# Altium PCB CATS-EUROC.PcbDoc (part 2 of 2)
Units mm, origin at the board's own origin, x right, y up, seen from the top; angles counter-clockwise.
Board outline 100 x 33 mm, 4 copper layers (Top Layer, Mid Layer 1, Mid Layer 2, Bottom Layer), stack 1.57 mm thick; 164 components, 113 nets, 632 pads, 413 vias.
Unrouted connection lines stored in the file: 41.
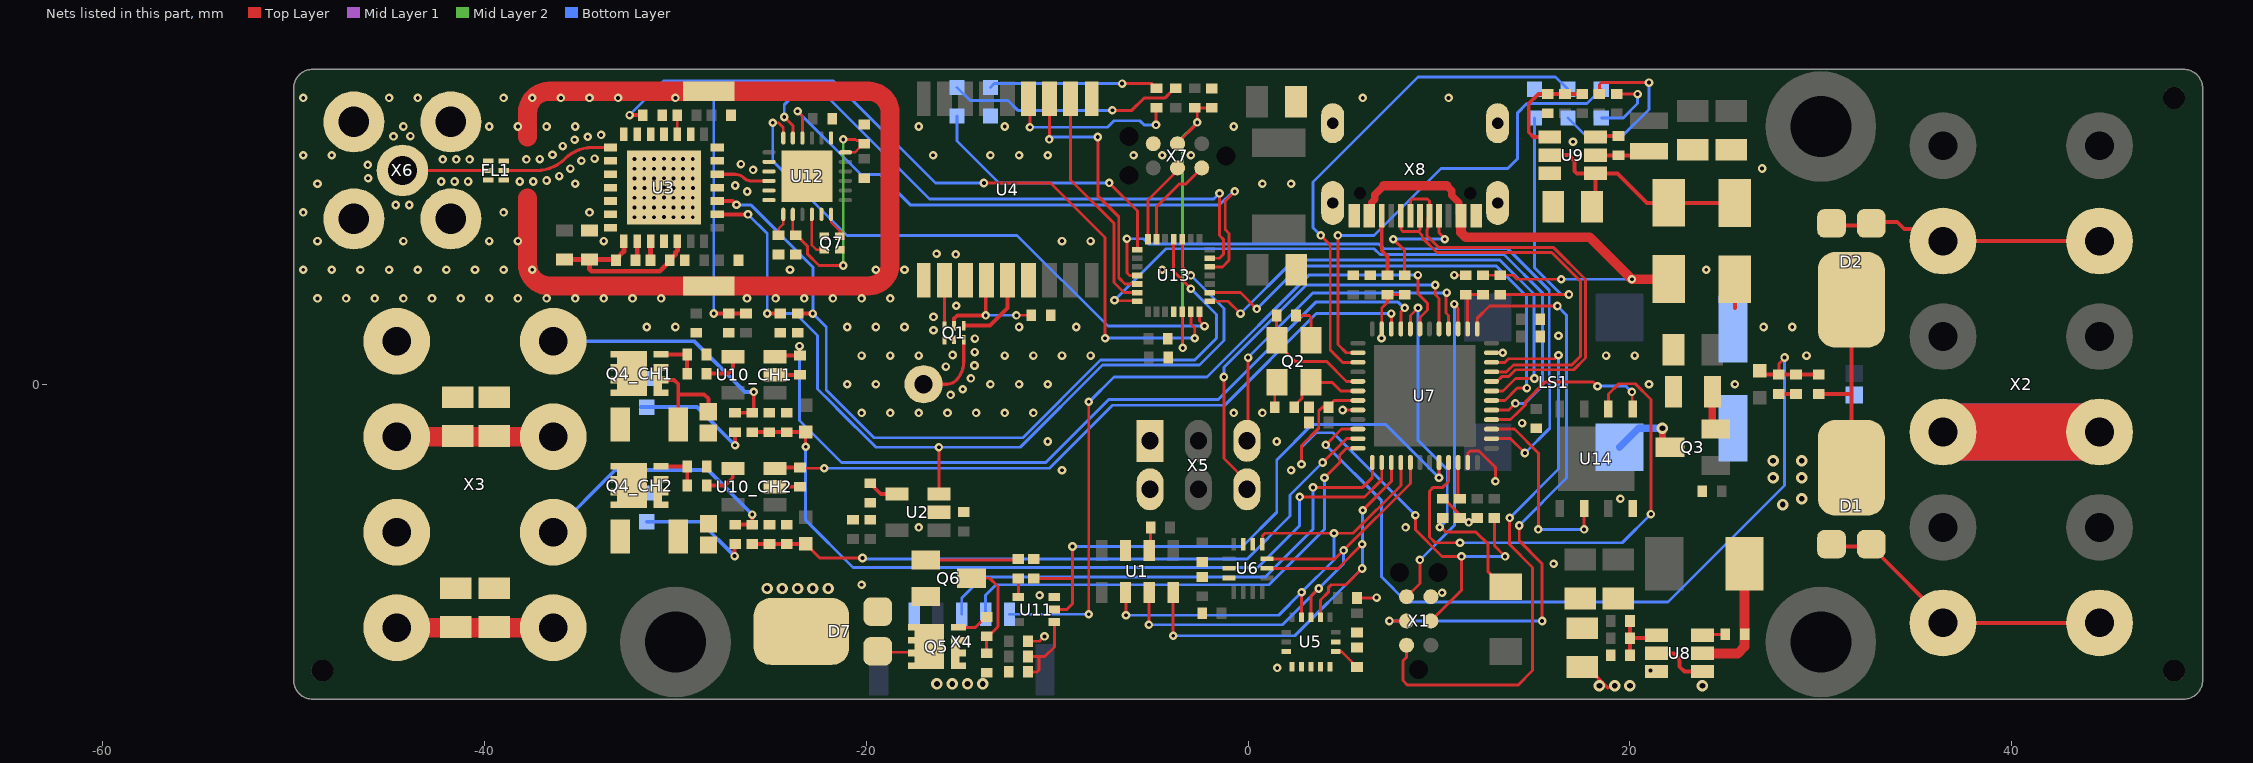
[diagram p4: the nets of this part, all layers, seen from the top]

## Via types
v1: diameter 0.45, hole 0.2, Top Layer to Bottom Layer, tented both sides, 383 vias
v2: diameter 0.6, hole 0.3, Top Layer to Bottom Layer, tented both sides, 30 vias

## Nets (pads, with @x,y where several pads share a name; then routed paths per layer and width w, separated by ;. In a path a pad name is that pad's centre, name@x,y a point inside that pad or via, vN(x,y) a via of type N, cw(c..) or ccw(c..) an arc to the next point about the centre after c; other vN are vias at no path point) (continued)
GND: C1.1 C2.1 C3.1 C4.1 C5.1 C6.1 C7.1 C8.1 C9.1 C10.1 C11.1 C12.1 C13.1 C14.1 C15.1 C16.1 C17.1 C18.1 C19.1 C20.1 C21.1 C22.1 C23.1 C24.1 C25.1 C26.1 C27.1 C28.1 C29.1 C30.M C33.1 C34.1 C35.1 C36.1 C39.1 C40.1 C41.1 C42_CH1.1 C42_CH2.1 C43_CH1.1 C43_CH2.1 C44_CH1.1 C44_CH2.1 C45.1 C46.1 C47.1 C48.1 C49.1 C50.1 C51.1 C52.1 C53.1 C54.1 C55.1 C56.1 C57.1 F1_CH1.2 F1_CH2.2 FL1.1 FL1.3 FL1.4 FL1.6 JP1.1 JP2_CH1.2 JP2_CH2.2 P1.K P4.K P5_CH1.K P5_CH2.K Q1.1 Q1.2 Q2.3 Q6.E Q7.3 R2.1 R3.2 R4.1 R5.1 R6.1 R7.1 R12.1 R13.1 R14.1 R17.1 R18.1 R21.1 R25_CH1.1 R25_CH2.1 R26_CH1.1 R26_CH2.1 R27_CH1.1 R27_CH2.1 R32.1 R36.1 R37.1 R38.2 SH1.1 U1.2 U1.3 U2.2 U3.0 U3.4 U3.6 U3.7 U3.9 U3.10 U3.11 U3.12 U3.13 U3.14 U3.16 U3.17 U3.18 U3.19 U3.20 U3.21 U3.23 U3.24 U3.25 U4.1 U4.10 U4.12 U4.15 U5.8 U5.9 U5.10 U5.11 U5.12 U5.13 U5.15 U6.2 U6.3 U6.6 U6.7 U7.8 U7.23 U7.35 U7.47 U8.3 U9.3 U10_CH1.2 U10_CH2.2 U11.3 U12.0 U12.5 U12.13 U12.20 U12.21 U12.23 U12.24 U13.4 U14.4 X1.5 X2.3 X4.5 X5.1 X5.2 X6.2 X7.5 X8.A1B12 X8.B1A12 X8.G1 X8.G2 X8.G3 X8.G4 | length 38.5
  Top Layer w0.127: C8.1@-32.092,6.5 C8.1@-32,6.592 ; C7.1@-31.308,6.5 C7.1@-31.3,6.508 ; C10.1@-29.908,14.1 -29.9,14.092 U3.10@-29.9,13.1
  Top Layer w0.152: C45.1@-11.531,-13.463 -10.923,-13.463 v1(-10.668,-13.208) ; U1.2@-5.175,-8.7 -5.108,-8.633 C1.1@-5.108,-7.5 ; C26.1@1.392,-1.2 1.392,-0.008 Q2.3@1.5,0.1 ; C25.1@2.508,3.6 3.2,3.6 3.3,3.5 Q2.3@3.3,2.3 ; v1(4.95,-1.35) U7.8@5.75,-1.35 ; C14.1@5.708,-11.2 6.707,-11.2 v1(6.731,-11.176) ; U7.47@7,2.9 7,4 7.3,4.3 R36.1@7.3,4.692 R37.1@8.2,4.692 ; R12.1@10.2,-5.992 10.251,-5.992 10.99,-6.731 ; v1(10.795,5.715) 10.802,5.708 R38.2@11.4,5.708 ; U7.23@11.5,-4.1 11.519,-4.081 11.519,-3.594 11.621,-3.492 12.095,-3.492 12.954,-4.351 v1(12.954,-5.08) ; U7.35@12.75,1.65 v1(13.334,1.65)
  Top Layer w0.203: U10_CH1.2@-24.776,0.5 -24.768,0.492 R26_CH1.1@-23.476,0.492 ; U10_CH2.2@-24.775,-5.364 -24.767,-5.372 R26_CH2.1@-23.475,-5.372 ; R17.1@27.8,-0.508 C36.1@28.7,-0.508
  Top Layer w0.254: C8.1@-32,6.592 U3.23@-32,7.5 ; C7.1@-31.3,6.508 U3.24@-31.3,7.5
  Top Layer w3: X2.3@36.4,-2.5 X2.3@44.6,-2.5
  Mid Layer 1 w0.152: v1(13.334,1.65) v1@13.335,1.651
  Bottom Layer w3: X2.3@36.4,-2.5 X2.3@44.6,-2.5
  other v1: 21.082,-14.986 1.524,-14.859 -10.922,-11.049 10.16,-10.922 -20.25,-10.5 16.002,-9.398 -17.25,-7.5 8.25,-7.5 11.557,-7.239 19.5,-6 -9.75,-4.5 2.25,-4.5 -10.5,-3 1.5,-3 14.351,-2.032 -20.25,-1.5 -18.75,-1.5 -17.25,-1.5 -15.75,-1.5 -14.25,-1.5 -12.75,-1.5 -11.25,-1.5 -0.75,-1.5 0.75,-1.5 -15.585,-0.557 -14.948,-0.258 -21,0 -19.5,0 -13.5,0 -12,0 -10.5,0 21,0 25.5,0 -14.525,0.304 -15.832,0.923 -14.335,0.982 -20.25,1.5 -18.75,1.5 -17.25,1.5 -12.75,1.5 -11.25,1.5 -9.75,1.5 -8.25,1.5 18.75,1.5 20.25,1.5 29.25,1.5 -15.479,1.532 -14.321,1.686 -14.312,2.39 6.985,2.413 16.256,2.54 -16.484,2.827 -31.5,3 -30,3 -21,3 -19.5,3 -18,3 -12,3 -9,3 27,3 28.5,3 -16.479,3.531 -15.293,4.112 -48.75,4.5 -47.25,4.5 -45.75,4.5 -44.25,4.5 -42.75,4.5 -41.25,4.5 -39.75,4.5 -38.25,4.5 -36.75,4.5 -35.25,4.5 -33.75,4.5 -32.25,4.5 -30.75,4.5 -26.25,4.5 -24.75,4.5 -23.25,4.5 -21.75,4.5 -20.25,4.5 -18.75,4.5 -49.5,6 -48,6 -46.5,6 -45,6 -43.5,6 -42,6 -40.5,6 -39,6 -37.5,6 -24,6 -19.5,6 -18,6 -4.5,6 24,6 -15.313,6.801 -16.317,6.835 -48.75,7.5 -44.25,7.5 -39.75,7.5 -38.25,7.5 -33.75,7.5 -9.75,7.5 -8.25,7.5 -32.138,8.75 -31.63,8.75 -31.122,8.75 -30.106,8.75 -29.598,8.75 -29.09,8.75 -30.607,8.763 -49.5,9 -39,9 -34.5,9 -32.138,9.258 -31.63,9.258 -31.122,9.258 -30.106,9.258 -29.598,9.258 -29.09,9.258 -30.607,9.271 -44.652,9.392 -43.948,9.392 -32.138,9.766 -31.63,9.766 -31.122,9.766 -30.106,9.766 -29.598,9.766 -29.09,9.766 -30.607,9.779 -26.239,10.096 -32.131,10.287 -31.623,10.287 -31.115,10.287 -30.6,10.3 -30.099,10.287 -29.591,10.287 -29.083,10.287 -26.867,10.414 -48.75,10.5 -35.25,10.5 0.75,10.5 2.25,10.5 -42.271,10.621 -41.567,10.621 -40.863,10.621 -38.156,10.621 -37.452,10.621 -36.75,10.674 -46.1,10.787 -32.138,10.782 -31.63,10.782 -31.122,10.782 -30.106,10.782 -29.598,10.782 -29.09,10.782 -30.607,10.795 -36.084,10.903 -25.934,11.229 -35.5,11.295 -32.138,11.29 -31.63,11.29 -31.122,11.29 -30.106,11.29 -29.598,11.29 -29.09,11.29 -30.607,11.303 26.924,11.303 -46.116,11.491 -26.569,11.531 -34.928,11.706 -42.19,11.779 -41.486,11.779 -40.782,11.779 -37.809,11.779 -37.105,11.793 -32.138,11.798 -31.63,11.798 -31.122,11.798 -30.106,11.798 -29.598,11.798 -29.09,11.798 -34.233,11.821 -30.607,11.811 -49.5,12 -48,12 -16.5,12 -13.5,12 -12,12 -10.5,12 -6,12 -4.5,12 -3,12 -36.44,12.025 -35.898,12.474 17.018,12.7 -35.281,12.812 -34.593,12.963 -44.769,12.981 -43.884,12.999 -33.896,13.059 -44.25,13.5 -39.75,13.5 -38.25,13.5 -36.75,13.5 -35.25,13.5 -17.25,13.5 -12.75,13.5 -0.75,13.5 -49.5,15 -45,15 -43.5,15 -39,15 -37.5,15 -36,15 -34.5,15 -33,15 -30,15 6,15 10.5,15
INT1: U7.29 U13.28 | length 33.8
  Top Layer w0.152: v1(-7,4.4) -6.975,4.375 -5.825,4.375 U13.28@-5.8,4.35 ; U7.29@12.75,-1.35 13.65,-1.35 v1(14,-1)
  Bottom Layer w0.152: v1(-7,4.4) -4.3,7.1 6.6,7.1 6.9,6.8 13.4,6.8 15.428,4.772 15.428,-0.072 14.5,-1 v1(14,-1)
INT2: U7.26 U13.25 | length 36.8
  Top Layer w0.152: v1(-6.35,7.62) -6.35,5.842 -6.208,5.7 U13.25@-5.8,5.7 ; U7.26@12.75,-2.85 13.75,-2.85 v1(14.5,-3.6)
  Bottom Layer w0.152: v1(-6.35,7.62) -5.485,7.62 -5.219,7.354 6.846,7.354 7.1,7.1 13.594,7.1 15.772,4.923 15.772,-0.197 15.8,-0.225 15.8,-2.3 v1(14.5,-3.6)
IO1: U7.43 X4.1 | length 38.5
  Top Layer w0.152: v1(-8.35,-12.05) v1(-8.35,-0.921) ; v1(8.89,5.715) 8.89,4.751 9.4,4.241 9.4,3.894 9,3.494 U7.43@9,2.9
  Bottom Layer w0.152: X4.1@-12.5,-12.05 -11.477,-12.05 v1(-8.35,-12.05) ; v1(-8.35,-0.921) -8.321,-0.921 -7.019,0.381 -2.159,0.381 3.175,5.715 v1(8.89,5.715)
LED: P6.K U13.22 | length 14.3
  Top Layer w0.152: v1@-7.3,10.55 v1(-7.275,10.55) -5.8,9.075 U13.22@-5.8,7.05
  Bottom Layer w0.152: P6.K@-15.25,14.05 -15.25,12.75 -13.05,10.55 v1(-7.275,10.55)
MISO1: U12.16 U13.12 | length 31.8
  Top Layer w0.152: v1(-23.6,14.3) -23.35,14.05 U12.16@-23.35,12.9 ; U13.12@-2,6.15 -1.35,6.15 -1,6.5 -1,7.9 -1.2,8.1 -1.2,9.6 v1(-0.7,10.1)
  Bottom Layer w0.152: v1(-23.6,14.3) -20.283,10.983 -19.283,10.983 -17.7,9.4 -1.494,9.4 -0.794,10.1 v1(-0.7,10.1)
MOSI1: U12.17 U13.13 | length 31.3
  Top Layer w0.152: v1(-24.3,14) -23.85,13.55 U12.17@-23.85,12.9 ; U13.13@-2,6.6 -1.5,6.6 -1.3,6.8 -1.3,7.6 -1.5,7.8 v1(-1.5,10)
  Bottom Layer w0.152: v1(-24.3,14) -24.3,14.639 -23.839,15.1 -22.085,15.1 -16.685,9.7 -1.8,9.7 v1(-1.5,10)
NetANT1_1: ANT1.1 Q1.3 | length 4
  Top Layer w0.168: ANT1.1@-17,0 -15.783,0 ccw(c-15.783,0.683) -15.3,0.2 ccw(c-16.266,1.166) -14.9,1.166 Q1.3@-14.9,2.325
NetC5_2: C5.2 U2.4 | length 1.7
  Top Layer w0.203: C5.2@-19.8,-5.192 -19.749,-5.192 -19.597,-5.344 -19.597,-5.395 -19.242,-5.75 U2.4@-18.4,-5.75
NetC6_2: C6.2 C7.2 C8.2 FB1.1 U3.22 U3.26 | length 10.1
  Top Layer w0.254: FB1.1@-35.8,6.538 C6.2@-34.5,6.538 ; U3.22@-32.7,7.5 -32.7,6.959 -33.108,6.551 C8.2@-33.108,6.5 -33.146,6.538 C6.2@-34.5,6.538 ; U3.26@-29.9,7.5 -29.9,6.99 -29.991,6.899 -29.991,6.801 C7.2@-30.292,6.5 -30.292,6.449 -30.823,5.918 -34.392,5.918 -34.5,6.027 C6.2@-34.5,6.538
NetC16_2: C16.2 U5.14 | length 1.4
  Top Layer w0.152: U5.14@4.592,-13.995 4.887,-13.995 C16.2@5.7,-14.808
NetC25_2: C25.2 Q2.1 U7.5 | length 6.5
  Top Layer w0.152: C25.2@1.492,3.6 1.492,2.308 Q2.1@1.5,2.3 1.5,2.15 2.45,1.2 4.1,1.2 5.15,0.15 U7.5@5.75,0.15
NetC26_2: C26.2 Q2.2 U7.6 | length 4.3
  Top Layer w0.152: C26.2@2.408,-1.2 2.408,-1.149 2.826,-0.731 2.826,-0.374 Q2.2@3.3,0.1 4.4,0.1 4.85,-0.35 U7.6@5.75,-0.35
NetC28_2: C28.2 U7.22 | length 1.9
  Top Layer w0.152: U7.22@11,-4.1 11,-5.892 C28.2@11.1,-5.992
NetC31_1: C31.1 U8.6 | length 1.2
  Top Layer w0.152: U8.6@23.8,-13.15 23.85,-13.1 C31.1@24.992,-13.1
NetC31_2: C31.2 L1.1 U8.5 | length 6.7
  Top Layer w0.508: U8.5@23.8,-14.1 25.65,-14.1 26,-13.75 26,-13.1 L1.1@26,-9.4
NetC32_1: C32.1 R16.1 R18.2 U8.1 | length 3.3
  Top Layer w0.203: R18.2@20.008,-14.2 R16.1@20.008,-13.3 ; C32.1@20.008,-12.4 R16.1@20.008,-13.3 ; U8.1@21.4,-13.15 21.25,-13.3 R16.1@20.008,-13.3
NetC37_1: C37.1 U9.6 | length 1.2
  Top Layer w0.203: U9.6@18.2,12.95 18.258,13.008 C37.1@19.4,13.008
NetC37_2: C37.2 L2.1 U9.5 | length 2.9
  Top Layer w0.203: U9.5@18.2,12 18.208,11.992 19.3,11.992 20.692,11.992 L2.1@21,12.3
NetC38_1: C38.1 R20.1 R21.2 U9.1 | length 5.7
  Top Layer w0.203: U9.1@15.8,12.95 14.95,12.95 14.7,13.2 14.7,14.7 15.208,15.208 C38.1@17.5,15.208
NetC41_2: C41.2 D4.K D5.K U9.2 U9.4 | length 12.9
  Top Layer w0.203: U9.2@15.8,12 16.8,12 17.1,11.7 17.1,11.166 17.216,11.05 U9.4@18.2,11.05 ; C41.2@18.016,9.3 18.2,9.484 U9.4@18.2,11.05 ; D5.K@25.5,9.5 20.9,9.5 19.35,11.05 U9.4@18.2,11.05
NetC46_2: C46.2 R30.1 U11.1 | length 4.2
  Top Layer w0.152: C46.2@-11.531,-15.063 -11.063,-15.063 -10.947,-14.947 -10.947,-14.263 ; R30.1@-11.531,-14.263 -10.947,-14.263 ; U11.1@-10.15,-12.45 -10.15,-13.758 -10.655,-14.263 -10.947,-14.263
NetC49_2: C49.2 C50.2 U12.2 U12.12 | length 13.5
  Top Layer w0.127: U12.2@-23.85,8.9 -23.85,7.958 C50.2@-23.7,7.808 ; U12.12@-21.1,12.15 -20.591,12.15 -20.501,12.24 -20.501,12.242 -20.151,12.592 C49.2@-20.1,12.592
  Top Layer w0.152: C50.2@-23.7,7.808 -23.649,7.808 -23.091,7.25 -23.091,6.835 -22.479,6.223 v1(-21.209,6.223) ; v1(-21.209,12.827) -20.574,12.827 -20.517,12.77 -20.278,12.77 C49.2@-20.1,12.592
  Mid Layer 2 w0.152: v1(-21.209,6.223) v1(-21.209,12.827)
NetC51_2: C51.2 U12.1 | length 1.2
  Top Layer w0.127: C51.2@-24.6,7.808 -24.587,7.821 -24.587,8.153 -24.35,8.391 U12.1@-24.35,8.9
NetC54_2: C54.2 R34.1 U13.5 X7.3 | length 17.4
  Top Layer w0.152: X7.3@-3.7,12.6 -3.7,12.642 -2.667,13.675 v1(-2.667,13.716) -2.667,14.314 R34.1@-2.831,14.478 ; U13.5@-3.45,3.8 -3.45,1.926 v1(-3.429,1.905) ; R34.1@-2.851,14.492 -2.837,14.478 R34.1@-2.831,14.478 ; C54.2@-1.905,14.478 R34.1@-2.831,14.478
  Mid Layer 2 w0.152: v1(-3.429,1.905) -3.429,12.954 v1(-2.667,13.716)
NetD1_A: D1.A X2.1 | length 15.7
  Top Layer w0.203: D1.A@30.56,-8.5 32.64,-8.5 36.64,-12.5 X2.1@44.6,-12.5
NetD2_A: D2.A X2.5 | length 14.5
  Top Layer w0.203: D2.A@30.56,8.325 D2.A@32.64,8.325 ; D2.A@32.64,8.5 34,8.5 34.369,8.131 35.769,8.131 X2.5@36.4,7.5 X2.5@44.6,7.5
NetD7_A: D7.A Q5.D | length 2.8
  Top Layer w0.152: D7.A@-19.4,-14.04 -17.425,-14.04 -17,-14.04 Q5.D@-16.7,-13.74
NetF1_CH1_1: F1_CH1.1 JP2_CH1.1 Q4_CH1.S | length 5.4
  Top Layer w0.203: Q4_CH1.S@-30.751,0.224 -30.069,0.224 -29.852,0.007 -29.852,-0.533 ; F1_CH1.1@-29.852,-2.1 -29.852,-0.533 ; JP2_CH1.1@-28.276,-1.441 -28.276,-0.756 -28.499,-0.533 -29.852,-0.533
NetF1_CH2_1: F1_CH2.1 JP2_CH2.1 Q4_CH2.S
NetFL1_2: FL1.2 U3.15 | length 5.9
  Top Layer w0.168: FL1.2@-39,11.2 -37.266,11.2 ccw(c-37.266,13.29) -35.788,11.812 cw(c-34.369,10.393) -34.369,12.4 U3.15@-33.4,12.4
NetFL1_5: FL1.5 X6.1 | length 4.5
  Top Layer w0.168: X6.1@-44.3,11.2 FL1.5@-39.8,11.2
NetLS1_2: LS1.2 Q3.D | length 3.9
  Top Layer w0.381: v2(21.7,-2.3) 21.7,-2.99 22.01,-3.3 Q3.D@22.1,-3.3
  Bottom Layer w0.381: LS1.2@19.45,-3.3 20.45,-2.3 v2(21.7,-2.3)
NetP1_A: P1.A R8.1 | length 8.9
  Top Layer w0.152: v1(-6.604,15.748) -5.04,15.748 R8.1@-4.8,15.508
  Bottom Layer w0.152: P1.A@-13.5,15.55 -13.302,15.748 v1(-6.604,15.748)
NetP2_A: P2.A R9.1 | length 9.8
  Top Layer w0.152: R9.1@18.4,15.208 18.4,15.7 18.5,15.8 v1(21,15.8)
  Bottom Layer w0.152: P2.A@16.75,13.95 17.7,13 19.6,13 21,14.4 v1(21,15.8)
NetP2_K: P2.K U7.3 | length 26.8
  Top Layer w0.152: v1(3.8,7.8) 4.3,7.3 4.3,1.8 4.95,1.15 U7.3@5.75,1.15
  Bottom Layer w0.152: v1(3.8,7.8) 3.4,8.2 3.4,10.6 8.9,16.1 16.1,16.1 P2.K@16.75,15.45
NetP3_A: P3.A R10.1 | length 3.8
  Top Layer w0.152: R10.1@19.3,15.208 19.308,15.2 v1(20.4,15.2)
  Bottom Layer w0.152: P3.A@18.5,13.95 19.65,13.95 20.4,14.7 v1(20.4,15.2)
NetP3_K: P3.K U7.2 | length 25.3
  Top Layer w0.152: v1(4.7,7.8) 4.7,2.089 5.139,1.65 U7.2@5.75,1.65
  Bottom Layer w0.152: v1(4.7,7.8) 6.6,7.8 10.1,11.3 13.6,11.3 14.1,11.8 14.1,14.2 14.6,14.7 17.75,14.7 P3.K@18.5,15.45
NetP4_A: P4.A R19.1 | length 13.8
  Top Layer w0.152: R19.1@13.2,4.692 16.792,4.692 v1(16.8,4.7)
  Bottom Layer w0.152: P4.A@15,13.95 15,6.1 16.4,4.7 v1(16.8,4.7)
NetP5_CH1_A: P5_CH1.A R22_CH1.1 | length 6.4
  Top Layer w0.203: v1(-26.876,-3.198) R22_CH1.1@-26.876,-2.508
  Bottom Layer w0.203: P5_CH1.A@-31.8,-1.2 -28.874,-1.2 v1(-26.876,-3.198)
NetP5_CH2_A: P5_CH2.A R22_CH2.1 | length 6
  Top Layer w0.203: v1(-26.9,-9) -26.9,-8.397 R22_CH2.1@-26.875,-8.372
  Bottom Layer w0.203: P5_CH2.A@-31.5,-7.2 -28.7,-7.2 v1(-26.9,-9)
NetP6_A: P6.A R33.1 | length 12.4
  Top Layer w0.152: v1(-7.112,14.351) -6.096,14.351 -5.461,14.986 -4.373,14.986 -3.851,15.508 R33.1@-3.8,15.508
  Bottom Layer w0.152: P6.A@-15.25,15.55 -14.559,14.859 -12.573,14.859 -12.065,14.351 v1(-7.112,14.351)
NetQ1_4: Q1.4 U4.14 | length 4.1
  Top Layer w0.203: Q1.4@-14.9,3.075 -13.525,3.075 -12.6,4 U4.14@-12.6,5.45
NetQ1_5: Q1.5 R7.2 U4.13 | length 6.1
  Top Layer w0.127: v1(-12.141,3.607) R7.2@-11.601,3.607
  Top Layer w0.203: Q1.5@-15.4,3.075 -15.4,3.447 -15.24,3.607 v1(-13.741,3.607) -13.741,5.409 U4.13@-13.7,5.45
  Bottom Layer w0.127: v1(-13.741,3.607) v1(-12.141,3.607)
NetQ1_6: Q1.6 U4.11 | length 2.4
  Top Layer w0.168: Q1.6@-15.9,3.075 U4.11@-15.9,5.45
NetQ3_S: Q3.S R14.2 | length 2
  Top Layer w0.381: R14.2@24.316,-0.4 24.316,-2.166 Q3.S@24.5,-2.35
NetQ4_CH1_G: Q4_CH1.G R24_CH1.1 R25_CH1.2 | length 2.4
  Top Layer w0.203: Q4_CH1.G@-30.751,1.564 -29.389,1.564 R25_CH1.2@-29.384,1.559 R24_CH1.1@-29.384,0.559
NetQ4_CH2_G: Q4_CH2.G R24_CH2.1 R25_CH2.2 | length 2.4
  Top Layer w0.203: Q4_CH2.G@-30.75,-4.3 -29.388,-4.3 R25_CH2.2@-29.383,-4.305 R24_CH2.1@-29.383,-5.305
NetQ5_G: Q5.G R29.2 | length 1.7
  Top Layer w0.152: Q5.G@-15.175,-12.735 -14.294,-12.735 -13.751,-12.192 R29.2@-13.7,-12.192
NetQ6_B: Q6.B R31.1 | length 4.9
  Top Layer w0.152: Q6.B@-16.939,-9.213 -12.097,-9.213 R31.1@-12.039,-9.155
NetQ6_C: Q6.C R28.1 R29.1 | length 5.6
  Top Layer w0.152: Q6.C@-14.539,-10.163 -13.537,-10.163 -13.1,-10.6 -13.1,-12.7 -13.679,-13.279 R29.1@-13.7,-13.279 ; R29.1@-13.939,-13.279 R29.1@-13.7,-13.279 ; R28.1@-13.7,-13.992 R29.1@-13.7,-13.279 ; R29.1@-13.7,-13.208 R29.1@-13.7,-13.279
NetQ7_1: Q7.1 U12.4 | length 2.4
  Top Layer w0.127: U12.4@-22.85,8.9 -22.85,7.28 -22.62,7.05 Q7.1@-22.2,7.05
NetQ7_2: Q7.2 U12.6 | length 1.3
  Top Layer w0.127: U12.6@-21.85,8.9 -21.85,8.49 -21.4,8.04 Q7.2@-21.4,7.75
NetR8_2: R8.2 U4.4 | length 9.5
  Top Layer w0.152: U4.4@-11.5,14.95 -11.43,14.88 -11.684,14.626 -11.43,14.372 v1(-11.43,13.462) ; v1(-4.826,13.589) -4.826,14.466 R8.2@-4.8,14.492
  Bottom Layer w0.152: v1(-11.43,13.462) -7.366,13.462 -7.025,13.803 -5.675,13.803 -5.461,13.589 v1(-4.826,13.589)
NetR12_2: R12.2 S1.2 U7.44 | length 19.7
  Top Layer w0.152: U7.44@8.5,2.9 8.5,3.597 8.9,3.997 v1(8.9,4) ; R12.2@10.2,-7.008 10.033,-7.175 v1(10.033,-7.493) 10.114,-7.493 10.368,-7.747 11.938,-7.747 12.573,-8.382 12.573,-9.823 13.35,-10.6 S1.2@13.5,-10.6
  Bottom Layer w0.152: v1(8.9,4) 8.9,-2.931 10.428,-4.459 10.428,-7.098 v1(10.033,-7.493)
NetR24_CH1_2: R24_CH1.2 U10_CH1.4 | length 2.1
  Top Layer w0.203: R24_CH1.2@-28.368,0.559 -27.254,0.559 -26.976,0.837 U10_CH1.4@-26.976,1.45
NetR24_CH2_2: R24_CH2.2 U10_CH2.4 | length 2
  Top Layer w0.203: R24_CH2.2@-28.367,-5.305 -27.405,-5.305 -27,-4.9 -27,-4.439 U10_CH2.4@-26.975,-4.414
NetR31_2: R31.2 U11.4 | length 1
  Top Layer w0.152: U11.4@-12.05,-11.15 -12.039,-11.139 R31.2@-12.039,-10.171 R31.2@-12.05,-10.182
NetR36_2: R36.2 X8.B5 | length 3.2
  Top Layer w0.203: X8.B5@7,8.825 7,7 7.3,6.7 R36.2@7.3,5.708
NetR37_2: R37.2 X8.A5 | length 6.2
  Top Layer w0.152: v1(7.6,7.6) 8.2,7 R37.2@8.2,5.708 ; X8.A5@10,8.825 10,7.941 10.3,7.641 v1(10.3,7.6)
  Bottom Layer w0.152: v1(7.6,7.6) v1(10.3,7.6)
NetU3_5: U3.5 U12.22 | length 2.8
  Top Layer w0.168: U3.5@-27.8,11 -26.883,11 cw(c-26.883,10.317) -26.4,10.8 ccw(c-26.038,11.162) -26.038,10.65 U12.22@-25.1,10.65
NetU13_20: U13.20 X7.2 | length 4.9
  Top Layer w0.152: U13.20@-4.8,7.6 -4.8,9.3 -3.6,10.5 -3.26,10.5 X7.2@-2.43,11.33
NetU13_21: U13.21 X7.4 | length 4.4
  Top Layer w0.152: U13.21@-5.25,7.6 -5.25,9.65 -3.7,11.2 X7.4@-3.7,11.33
PH2: C42_CH1.2 C42_CH2.2 C43_CH1.2 C43_CH2.2 D7.K X3.2 X3.4 | length 16.4
  Top Layer w1.016: X3.4@-44.6,-12.75 X3.4@-36.4,-12.75 ; X3.2@-44.6,-2.75 X3.2@-36.4,-2.75
  other v2: -25.2,-10.7 -24.4,-10.7 -23.6,-10.7 -22.8,-10.7 -22,-10.7
PL1: Q4_CH1.D R22_CH1.2 R23_CH1.2 X3.1 | length 13.6
  Top Layer w0.203: R22_CH1.2@-26.876,-1.492 R23_CH1.2@-25.976,-1.492 -25.9,-1.416 v1(-25.9,-0.4)
  Bottom Layer w0.203: X3.1@-36.4,2.25 -29.005,2.25 -26.355,-0.4 v1(-25.9,-0.4)
PL2: Q4_CH2.D R22_CH2.2 R23_CH2.2 X3.3 | length 14.2
  Top Layer w0.203: R22_CH2.2@-26.875,-7.356 R23_CH2.2@-25.975,-7.356 v1(-25.975,-6.825)
  Bottom Layer w0.203: X3.3@-36.4,-7.75 -33.15,-4.5 -28.3,-4.5 v1(-25.975,-6.825)
PYRO1: R26_CH1.2 U7.45 U10_CH1.3 | length 43.1
  Top Layer w0.152: v1(-23.5,2) -23.5,1.532 R26_CH1.2@-23.476,1.508 ; U7.45@8,2.9 8,3.8 v1(8.2,4)
  Top Layer w0.203: U10_CH1.3@-24.776,1.45 -24.718,1.508 R26_CH1.2@-23.476,1.508
  Bottom Layer w0.152: v1(-23.5,2) -23.5,-1.9 -21.3,-4.1 -10.6,-4.1 -7.3,-0.8 -1.562,-0.8 3.538,4.3 7.859,4.3 8.159,4 v1(8.2,4)
PYRO2: R26_CH2.2 U7.46 U10_CH2.3 | length 36.5
  Top Layer w0.152: R26_CH2.2@-23.475,-4.356 -23.431,-4.4 v1(-22.2,-4.4) ; U7.46@7.5,2.9 v1(7.5,3.7)
  Top Layer w0.203: U10_CH2.3@-24.775,-4.414 -24.717,-4.356 R26_CH2.2@-23.475,-4.356
  Bottom Layer w0.152: v1(-22.2,-4.4) -10.4,-4.4 -7.1,-1.1 -1.227,-1.1 3.573,3.7 v1(7.5,3.7)
PYRO_EN: R32.2 U7.20 U11.2 | length 31.5
  Top Layer w0.152: R32.2@-11.239,-10.171 -9.2,-10.171 ; U11.2@-10.15,-11.8 -9.5,-11.8 -9.2,-11.5 -9.2,-10.171 ; v1(-9.2,-8.5) -9.2,-10.171 ; v1(10,-4.9) U7.20@10,-4.1
  Bottom Layer w0.152: v1(-9.2,-8.5) -0.3,-8.5 1.5,-6.7 1.5,-3.961 3.361,-2.1 7.2,-2.1 v1(10,-4.9)
RST: C27.2 R11.1 U7.7 X1.3 | length 26.8
  Top Layer w0.152: v1(2.794,-4.191) 2.794,-3.208 3.7,-2.302 3.7,-1.389 3.889,-1.2 C27.2@4.208,-1.2 4.208,-1.149 4.507,-0.85 U7.7@5.75,-0.85 ; v1(8.763,-6.858) 8.763,-7.622 10.158,-9.017 v1(11.176,-9.017) 11.176,-10.794 X1.3@9.57,-12.4 ; R11.1@12.9,-7.008 12.9,-8.455 v1(13.462,-9.017)
  Bottom Layer w0.152: v1(2.794,-4.191) 2.794,-3.302 3.556,-2.54 4.445,-2.54 v1(8.763,-6.858) ; v1(11.176,-9.017) v1(13.462,-9.017)
RX1: U4.2 U13.27 | length 12
  Top Layer w0.152: U4.2@-9.3,14.95 -9.3,10.7 -7.032,8.432 -7.032,5.332 -6.5,4.8 U13.27@-5.8,4.8
RX2: U7.30 U13.9 | length 25.5
  Top Layer w0.152: U13.9@-2,4.8 -0.4,4.8 v1(0.45,3.95) ; U7.30@12.75,-0.85 13.45,-0.85 14.1,-0.2 v1(14.6,-0.2)
  Bottom Layer w0.152: v1(0.45,3.95) 2.7,6.2 13,6.2 14.572,4.628 14.572,-0.172 v1(14.6,-0.2)
RX_EN: R6.2 U3.3 U13.18 | length 43.7
  Top Layer w0.152: U13.18@-3.9,7.6 -3.9,5.9 v1(-3,5)
  Top Layer w0.203: U3.3@-27.8,9.6 -27,9.6 v1(-26.8,9.4) ; R6.2@-23.6,3.708 -23.596,3.704 v1(-22.804,3.704)
  Bottom Layer w0.152: v1(-26.8,9.4) -26.059,9.4 -22.804,6.145 v1(-22.804,3.704) -22.1,3 -22.1,-0.3 -19.6,-2.8 -11.8,-2.8 -7.73,1.27 -2.794,1.27 -1.651,2.413 -1.651,3.651 v1(-3,5)
SCK1: U12.18 U13.7 | length 30.3
  Top Layer w0.152: v1(-24.9,13.7) -24.606,13.7 -24.477,13.572 -24.472,13.572 -24.35,13.45 U12.18@-24.35,12.9 ; U13.7@-2.55,3.8 -2.55,3.312 v1(-2.286,3.048)
  Bottom Layer w0.152: v1(-24.9,13.7) -24.9,11.689 -21.011,7.8 -12.1,7.8 -7.348,3.048 v1(-2.286,3.048)
SERVO1: U7.40 X5.5 | length 18.3
  Top Layer w0.152: X5.5@-0.06,-2.96 -0.197,-2.823 0,-2.626 v1(0,1.397) ; v1(10.4,4.8) 10.372,4.772 10.372,3.728 10.5,3.6 U7.40@10.5,2.9
  Bottom Layer w0.152: v1(0,1.397) 3.375,4.772 10.372,4.772 v1(10.4,4.8)
SERVO2: U7.41 X5.6 | length 22.1
  Top Layer w0.152: v1(-1.27,0.381) -1.27,-3.89 -0.06,-5.1 X5.6@-0.06,-5.5 ; v1(9.8,5.2) 9.8,4.7 10,4.5 U7.41@10,2.9
  Bottom Layer w0.152: v1(-1.27,0.381) -1.27,0.889 3.048,5.207 9.793,5.207 v1(9.8,5.2)
SPI1_MISO: U1.6 U5.4 U6.1 U7.16 | length 26
  Top Layer w0.152: U1.6@-6.425,-10.9 -6.4,-10.925 v1(-6.4,-12.1) ; U6.1@0.742,-8.381 0.742,-7.947 0.885,-7.804 5.496,-7.804 8,-5.3 U7.16@8,-4.1 ; U5.4@2.792,-12.195 2.792,-10.908 v1(2.8,-10.9)
  Bottom Layer w0.152: v1(-6.4,-12.1) 1.6,-12.1 v1(2.8,-10.9) 4.5,-9.2 v1(4.5,-7.8)
SPI1_MOSI: U1.7 U5.3 U6.14 U7.17 | length 26
  Top Layer w0.152: v1(-5.2,-12.6) -5.2,-11.275 -5,-11.075 U1.7@-5.175,-10.9 ; U6.14@0.996,-9.144 4.556,-9.144 v1(5,-8.7) 8.5,-5.2 U7.17@8.5,-4.1 ; U5.3@3.292,-12.195 3.292,-11.108 v1(3.7,-10.7)
  Bottom Layer w0.152: v1(-5.2,-12.6) 1.8,-12.6 v1(3.7,-10.7) 5,-9.4 v1(5,-8.7)
SPI1_SCK: U1.8 U5.2 U6.13 U7.15 | length 29.2
  Top Layer w0.152: v1(-3.925,-13.175) U1.8@-3.925,-10.9 ; U6.13@0.996,-9.644 4.707,-9.644 v1(5.969,-8.382) ; U5.2@3.792,-12.195 3.792,-11.308 4.2,-10.9 4.2,-10.659 4.359,-10.5 5.121,-10.5 v1(5.969,-9.652) ; v1(6,-6.6) 7.5,-5.1 U7.15@7.5,-4.1
  Bottom Layer w0.152: v1(-3.925,-13.175) 2.446,-13.175 v1(5.969,-9.652) 5.985,-9.637 5.985,-6.616 v1(6,-6.6)
SPI2_MISO: U7.27 U14.2 | length 10.5
  Top Layer w0.152: U7.27@12.75,-2.35 13.95,-2.35 15.2,-3.6 v1(15.2,-7.6) ; v1(17.6,-7.6) U14.2@17.6,-6.5
  Bottom Layer w0.152: v1(15.2,-7.6) v1(17.6,-7.6)
SPI2_MOSI: U7.28 U14.5 | length 9.4
  Top Layer w0.152: U7.28@12.75,-1.85 13.75,-1.85 14.172,-1.428 14.177,-1.428 14.528,-1.077 14.528,-0.913 15.568,0.127 18.073,0.127 v1(18.3,-0.1) ; v1(20.1,-0.4) 20.12,-0.42 20.12,-1.28 U14.5@20.14,-1.3
  Bottom Layer w0.152: v1(18.3,-0.1) 19.8,-0.1 v1(20.1,-0.4)
SPI2_SCK: U7.21 U14.6 | length 26.5
  Top Layer w0.152: U7.21@10.5,-4.1 10.5,-5.1 10.2,-5.4 9.7,-5.4 9.5,-5.6 9.5,-8 9.8,-8.3 v1(11.1,-8.3) ; U14.6@18.87,-1.3 18.87,-0.517 19.415,0.028 20.277,0.028 21.1,-0.794 v1(21.1,-6.8)